# Altium PCB Yukitora.PcbDoc (part 1 of 3) (continued)
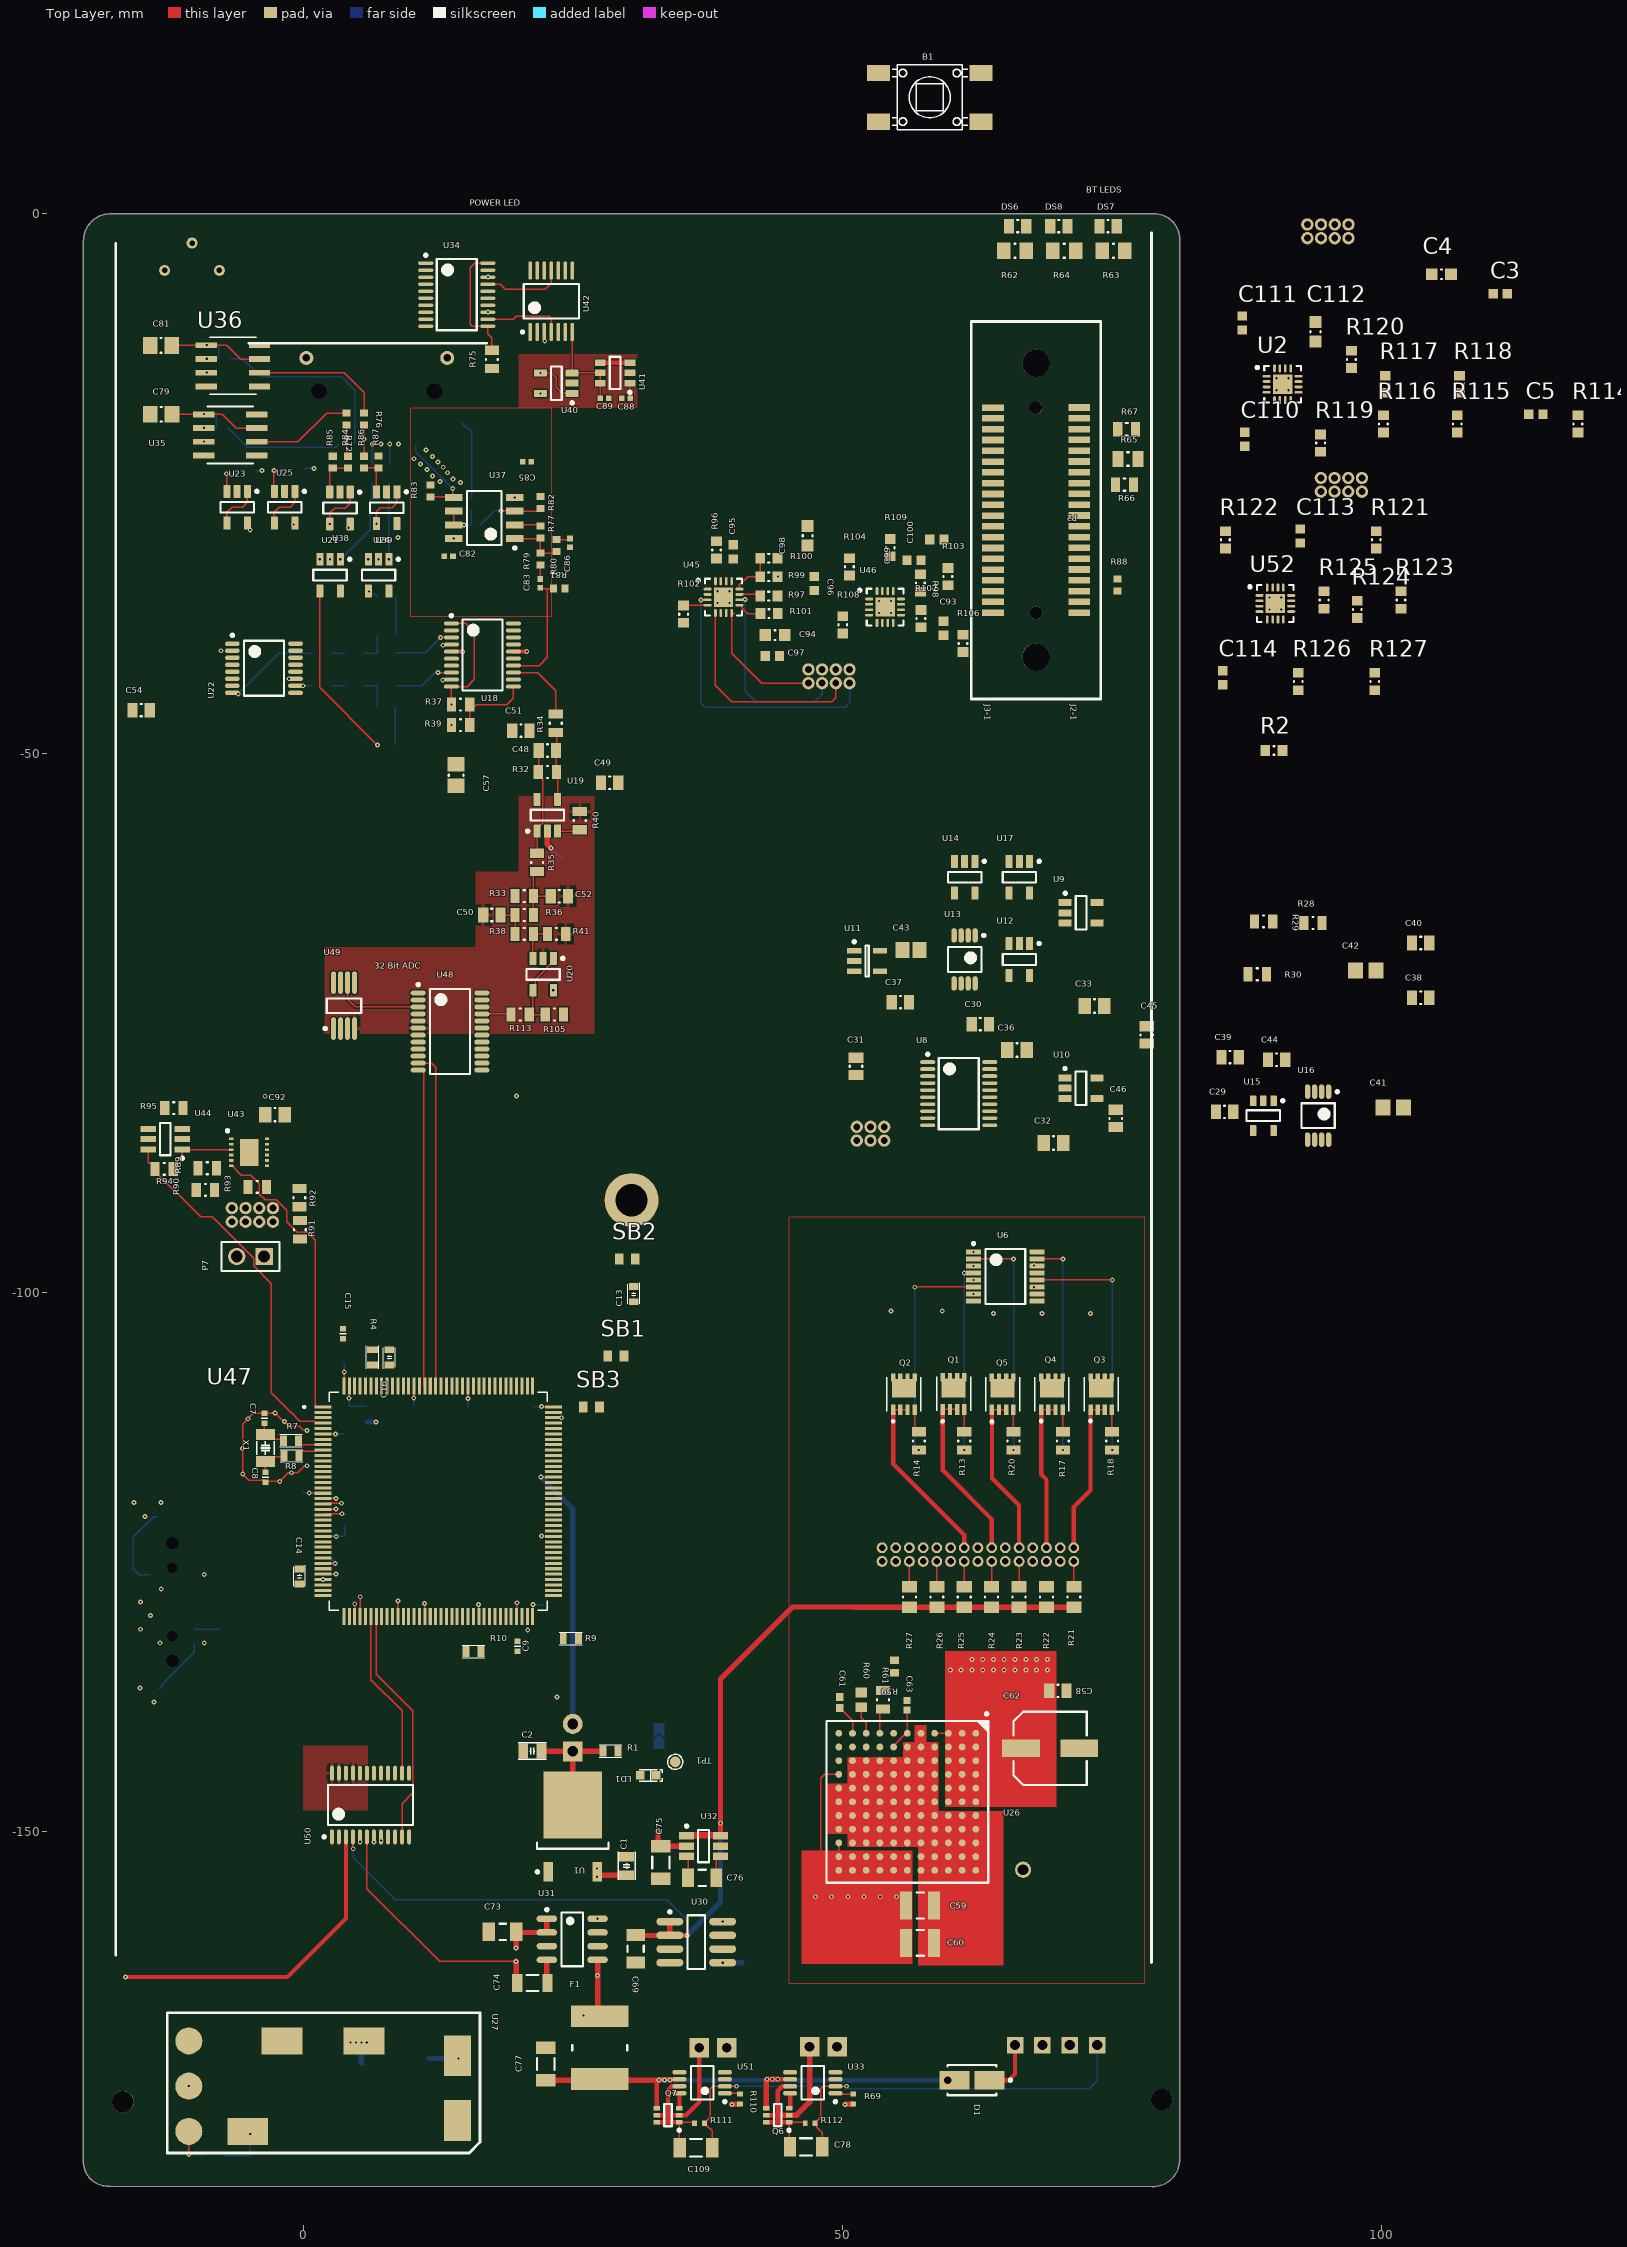
[diagram p0: Top Layer view]
## Classes and differential pairs
component class SYS_PWR_ADC: U50
component class AD717-2: C101 C102 C103 C104 C105 C106 C107 C108 U48 U49
component class ZPZH: C87 C88 C89 C90 C91 R88 U40 U41 U42
component class Conning_Tower: C79 C80 C81 C82 C83 C84 C85 C86 J1 R70 R71 R72 R73 R74 R75 R76 R77 R78 R79 R80 R81 R82 R83 R84 R85 R86 R87 U34 U35 U36 U37 U38 U39
component class Power: C69 C70 C71 C72 C73 C74 C75 C76 U30 U31 U32
component class Power_Input: C77 C78 C109 D1 F1 P4 P5 P10 Q6 Q7 R69 R110 R111 R112 U33 U51
component class Levels: C29 C30 C31 C32 C33 C34 C35 C36 C37 C38 C39 C40 C41 C42 C43 C44 C45 C46 C47 P1 R28 R29 R30 R31 U8 U9 U10 U11 U12 U13 U14 U15 U16 U17
component class Force_Plates_Power_Supply: C64 C65 R68 R128 R129 U27
component class 12V_Supply: C58 C59 C60 C61 C62 C63 R59 R60 R61 TP2 U26
net class PG[0..15]: PG0 PG1 PG2 PG3 PG4 PG5 PG6 PG7 PG8 PG9 PG10 PG11 PG12 PG13 PG14 PG15
net class PF[0..15]: PF0 PF1 PF2 PF3 PF4 PF5 PF6 PF7 PF8 PF9 PF10 PF11 PF12 PF13 PF14 PF15
net class PE[0..15]: PE0 PE1 PE2 PE3 PE4 PE5 PE6 PE7 PE8 PE9 PE10 PE11 PE12 PE13 PE14 PE15
net class PD[0..15]: PD0 PD1 PD2 PD3 PD4 PD5 PD6 PD7 PD10 PD11 PD12 PD13 PD14 PD15
net class PC[0..15]: PC0 PC1 PC2 PC3 PC4 PC5 PC6 PC7 PC8 PC9 PC10 PC11 PC12 PC13
net class PB[0..15]: PB0 PB1 PB2 PB3 PB4 PB5 PB8 PB9 PB10 PB11 PB12 PB13 PB14 PB15
net class PA[0..15]: PA0 PA1 PA2 PA3 PA4 PA5 PA6 PA7 PA8 PA9 PA10 PA11 PA12 PA13 PA14 PA15
component class ST_LINK_V3E: CN1 HW7 HW8 R3 U3 U4
component class Power_Board: C1 C2 HW4 HW12 JP1 LD1 R1 SB5 TP1 U1
component class MCU_144_POWER: C13 C14 C15 C16 C17 C18 C19 C20 C21 C22 C23 C24 C25 C26 C27 C28 HW13 SB1 SB2 SB3 SB10 SB11
component class MCU_144_IOs: B1 C6 C7 C8 C9 C10 HW3 HW9 HW11 R4 R5 R6 R7 R8 R9 R10 U5 U47 X1
component class Heater: DS1 DS2 DS3 DS4 DS5 Q1 Q2 Q3 Q4 Q5 R11 R12 R13 R14 R15 R16 R17 R18 R19 R20 R21 R22 R23 R24 R25 R26 R27 U6 U7
component class SynchDemod: C48 C49 C50 C51 C52 C53 C54 C55 C56 C57 R32 R33 R34 R35 R36 R37 R38 R39 R40 R41 R42 R43 R44 R45 R46 R47 R48 R49 R50 R51 R52 R53 R54 R55 R56 R57 R58 R105 R113 U18 U19 U20 U21 U22 U23 U24 U25
component class Bluetooth: DS6 DS7 DS8 P2 R62 R63 R64 R65 R66 R67
component class Encoder: C92 P6 P7 R89 R90 R91 R92 R93 R94 R95 U43 U44
component class Motors: C3 C4 C5 C93 C94 C95 C96 C97 C98 C99 C100 C110 C111 C112 C113 C114 P3 P8 P11 R2 R96 R97 R98 R99 R100 R101 R102 R103 R104 R106 R107 R108 R109 R114 R115 R116 R117 R118 R119 R120 R121 R122 R123 R124 R125 R126 R127 U2 U45 U46 U52

## Components (designator, comment, footprint, x,y, rotation, side; value= is the part's Value field where it differs from the comment)
B1 "SW-PUSH-CMS" SWI_WEALTHMETAL_TD-0341_4P_BLACK 58.1,10.8 r270 top value=SWITCH
C1 "Capacitor" C0805 30,-153.15 r270 top value=10uF
C2 "Capacitor" C0805 21.25,-142.5 r0 top value=10uF
C3 "0.1uF" CAPC1608X94X35LL15T15 110.975,-7.425 r0 top
C4 "4.7uF" CAPC0603(1608)55_M 105.525,-5.6 r0 top
C5 "0.1uF" CAPC1608X94X35LL15T15 114.275,-18.575 r0 top
C6 "Capacitor" C0603 4.577,-121.573 r180 bottom value=100nF
C7 "Capacitor" C0402 -3.584,-111.65 r90 top value=5.1pF
C8 "Capacitor" C0402 -3.484,-117.125 r270 top value=5.1pF
C9 "Capacitor" C0402 19.9,-132.775 r270 top
C10 "Capacitor" C0402 22.196,-129.45 r90 bottom
C13 "Capacitor" C0603 30.65,-100.15 r90 top value=1uF
C14 "Capacitor" C0603 -0.325,-126.325 r90 top value=1uF
C15 "Capacitor" C0402 3.7,-103.825 r270 top
C16 "Capacitor" C0603 8,-106 r270 top value=1uF
C17 "Capacitor" C0402 17.75,-114.075 r180 bottom
C18 "Capacitor" C0603 10.3,-111.2 r90 bottom value=4.7uF
C19 "Capacitor" C0402 11.278,-130.018 r90 bottom
C20 "Capacitor" C0402 16.291,-130.03 r90 bottom
C21 "Capacitor" C0402 15.3,-111.075 r90 bottom
C22 "Capacitor" C0402 20.95,-110.6 r0 bottom
C23 "Capacitor" C0402 10.5,-124.1 r180 bottom
C24 "Capacitor" C0402 1.861,-124.6 r0 bottom
C25 "Capacitor" C0402 -0.5,-118.575 r0 bottom
C26 "Capacitor" C0402 4.3,-113.075 r180 bottom
C27 "Capacitor" C0402 17.8,-115.8 r180 bottom
C28 "Capacitor" C0402 3.825,-106.1 r270 bottom
C29 "470nF" CAPC0805(2012)75_L 85.418,-83.249 r0 top value=.47uF
C30 ".1uF" CAPC0805(2012)75_L 62.781,-75.113 r0 top
C31 "470nF" CAPC0805(2012)75_L 51.255,-79.02 r270 top value=.47uF
C32 "08053C105JAT2A" CAPC0805(2012)145_N 69.563,-86.135 r0 top value=1uF
C33 "08053C105JAT2A" CAPC0805(2012)145_N 73.373,-73.435 r0 top value=1uF
C34 "2.2uF" CAPC0805(2012)75_L 77.098,-63.399 r270 bottom value=1uF
C35 "08053C105JAT2A" CAPC0805(2012)145_N 76.148,-82.216 r180 bottom value=1uF
C36 "08053C105JAT2A" CAPC0805(2012)145_N 66.176,-77.517 r0 top value=1uF
C37 "470nF" CAPC0805(2012)75_L 55.381,-73.072 r0 top value=.47uF
C38 ".1uF" CAPC0805(2012)75_L 103.599,-72.673 r0 top
C39 "2.2uF" CAPC0805(2012)75_L 85.926,-78.169 r0 top value=1uF
C40 ".22uF" CAPC0805(2012)75_L 103.599,-67.593 r0 top value=1uF
C41 "GRM21BR71A225KA01L" CAPC2013X135X50ML10T20 101.059,-82.833 r0 top
C42 "GRM21BR71A225KA01L" CAPC2013X135X50ML10T20 98.519,-70.133 r0 top
C43 "0805ZC103KAT2A" CAPC2013X140X50NL20T25 56.359,-68.246 r0 top
C44 "2.2uF" CAPC0805(2012)75_L 90.244,-78.423 r0 top value=1uF
C45 "470nF" CAPC0805(2012)75_L 78.203,-76.12 r90 top value=.47uF
C46 "2.2uF" CAPC0805(2012)75_L 75.329,-83.852 r90 top value=1uF
C47 ".22uF" CAPC0805(2012)75_L 94.562,-78.169 r180 bottom value=1uF
C48 "470nF" CAPC0805(2012)75_L 22.65,-49.75 r180 top value=.47uF
C49 ".1uF" CAPC0805(2012)75_L 28.425,-52.75 r0 top
C50 "22uF" CAPC0805(2012)75_L 17.5,-65 r0 top
C51 ".1uF" CAPC0805(2012)75_L 20.2,-47.9 r0 top
C52 "22uF" CAPC0805(2012)75_L 23.75,-63.25 r180 top
C53 "CAP CER 0.1UF 25V X7R 0805" CAPC0805(2012)145_N 24.975,-59.975 r0 bottom
C54 ".1uF" CAPC0805(2012)75_L -15,-46 r180 top
C55 "CAP CER 1UF 25V X7R 0805" CAPC0805(2012)155_L 7.75,-45.75 r180 bottom
C56 "CAP CER 1UF 25V X7R 0805" CAPC0805(2012)155_L 7.75,-39 r180 bottom
C57 ".1uF" CAPC0805(2012)75_M 14.183,-52.037 r90 top
C58 "CAP CER 1UF 25V X7R 0805" CAPC0805(2012)155_L 69.975,-136.925 r180 top
C59 "C1210C475K5RACTU" CAPC3225X280X50LL20T25 57.2,-156.825 r180 top
C60 "C1210C475K5RACTU" CAPC3225X280X50LL20T25 57.2,-160.275 r180 top
C61 "GRM155R71C224KA12D" CAPC0402(1005)60_M 49.75,-138 r270 top value=220nF
C62 "UUD1E680MCL1GS" NIC-CAPA2-6.3X5.8_V 69.25,-142.25 r0 top
C63 "0402YC103KAT2A" CAPC1005X56X25NL10T15 56,-138.25 r270 top
C64 "C1206C472K1RECAUTO" CAPC0805(2012)155_L 11.609,-171.725 r90 bottom
C65 "C1206C472K1RECAUTO" CAPC1210(3225)130_M 5.659,-173.25 r90 bottom
C69 "GRM31CR71C106KA12L" CAPC3216X180X55LL20T25 30.825,-160.825 r90 top
C70 "C1206C105K5RACTU" CAPC3216X110X50LL20T25 27.425,-160.975 r270 bottom
C71 "CAP 10nF 16V 1206(3216)" CAPC1206(3216)110_L 34,-161.075 r90 bottom value=10nF
C72 "C1206C105K5RACTU" CAPC3216X110X50LL20T25 40.75,-160.75 r270 bottom
C73 "GRM31CR71C106KA12L" CAPC3216X180X55LL20T25 18.5,-159.25 r0 top
C74 "CAP 10nF 16V 1206(3216)" CAPC1206(3216)110_L 21.25,-164 r180 top value=10nF
C75 "JMK316BJ106ML-T" CAPC1206(3216)130_N 33.175,-152.825 r90 top
C76 "C1206C105K5RACTU" CAPC3216X110X50LL20T25 37,-154.25 r0 top
C77 "CAP CER 10UF 6.3V X5R 1206" CAPC1206(3216)130_N 22.5,-171.5 r270 top
C78 "CAP CER 10UF 6.3V X5R 1206" CAPC1206(3216)130_N 46.643,-179.187 r180 top
C79 ".1uF" CAPC0805(2012)75_M -13.15,-18.575 r180 top
C80 ".1uF" CAPC0805(2012)75_L 16,-34.2 r270 bottom
C81 ".1uF" CAPC0805(2012)75_M -13.175,-12.2 r0 top
C82 "0.1uF" CAPC0402(1005)60_L 13.5,-31.75 r0 top
C83 "0.1uF" CAPC0402(1005)60_L 22,-34.25 r270 top
C84 "0.1uF" CAPC0402(1005)60_L 16,-28.875 r0 bottom
C85 "0.1uF" CAPC0402(1005)60_L 20.75,-23 r180 top
C86 "1uF" CAPC0402(1005)60_L 24.75,-30.5 r90 top
C87 "0.1uF" CAPC0402(1005)60_L 23.95,-18.325 r0 bottom
C88 "0.1uF" CAPC0402(1005)60_L 29.939,-17.108 r180 top
C89 "0.1uF" CAPC0402(1005)60_L 27.939,-17.108 r180 top
C90 "10uF" CAPC0805(2012)145_N 24.264,-8.108 r180 bottom
C91 "0.1uF" CAPC0402(1005)60_L 24.264,-6.483 r0 bottom
C92 "CAP CER 0.1UF 25V X7R 0805" CAPC0805(2012)145_N -2.6,-83.5 r0 top
C93 "0.1uF" CAPC1608X94X35LL15T15 59.375,-38.425 r90 top
C94 "4.7uF" CAPC0603(1608)55_M 43.75,-39.06 r180 top
C95 "0.1uF" CAPC1608X94X35LL15T15 39.875,-31.335 r270 top
C96 "22nF" CAPC1608X94X35LL15T15 47.375,-34.26 r270 top
C97 "0.1uF" CAPC1608X94X35LL15T15 43.5,-40.985 r0 top
C98 "4.7uF" CAPC0603(1608)55_M 46.775,-29.835 r90 top
C99 "0.1uF" CAPC1608X94X35LL15T15 56.625,-32.125 r180 top
C100 "22nF" CAPC1608X94X35LL15T15 58.75,-30.2 r180 top
C109 "CAP CER 10UF 6.3V X5R 1206" CAPC1206(3216)130_N 36.413,-179.271 r180 top
C110 "22nF" CAPC1608X94X35LL15T15 87.3,-20.906 r90 top
C111 "0.1uF" CAPC1608X94X35LL15T15 87.05,-10.125 r90 top
C112 "4.7uF" CAPC0603(1608)55_M 93.85,-10.925 r90 top
C113 "0.1uF" CAPC1608X94X35LL15T15 92.45,-29.875 r90 top
C114 "22nF" CAPC1608X94X35LL15T15 85.249,-43.006 r90 top
CN1 "Header 7x2" CON_STDC14_Receiver_MEDIUM_WITH_MIPI10_3D -12.115,-128.675 r270 bottom locked value="MIPI10 on STDC14 footprint"
D1 "CDBA540-HF" VISH-DO-214AC-2_M 62,-173 r180 top
DS1 "Visible Name Value Type    False Description Lite-On LTST-S220KRKT Red LED, 631 nm 2012 (0805) Side View, Rectangle Lens SMD package STRING" 0805C_L 54.5,-102.5 r270 bottom
DS2 "Visible Name Value Type    False Description Lite-On LTST-S220KRKT Red LED, 631 nm 2012 (0805) Side View, Rectangle Lens SMD package STRING" 0805C_L 59.25,-102.5 r270 bottom
DS3 "Visible Name Value Type    False Description Lite-On LTST-S220KRKT Red LED, 631 nm 2012 (0805) Side View, Rectangle Lens SMD package STRING" 0805C_L 68.5,-102.75 r270 bottom
DS4 "Visible Name Value Type    False Description Lite-On LTST-S220KRKT Red LED, 631 nm 2012 (0805) Side View, Rectangle Lens SMD package STRING" 0805C_L 73,-102.75 r270 bottom
DS5 "Visible Name Value Type    False Description Lite-On LTST-S220KRKT Red LED, 631 nm 2012 (0805) Side View, Rectangle Lens SMD package STRING" 0805C_L 64,-102.75 r270 bottom
DS6 "Lite-On LTST-S220KGKT Green LED, 571 nm 2012 (0805) Side View, Rectangle Lens SMD package" 0805C_L 66.244,-1.141 r0 top
DS7 "Lite-On LTST-S220KGKT Green LED, 571 nm 2012 (0805) Side View, Rectangle Lens SMD package" 0805C_L 74.626,-1.141 r0 top
DS8 "Lite-On LTST-S220KGKT Green LED, 571 nm 2012 (0805) Side View, Rectangle Lens SMD package" 0805C_L 70.054,-1.141 r0 top
F1 "PCT" CAPC7451X12N 27.5,-170 r90 top
J1 "FCS8-10-01-X-S-A" FCS8-10-01-X-S-A 6.835,-11.633 r0 bottom locked
JP1 "Jumper_Header 2x1 Fitted" CON_SAMTEC_TSW-102-07-G-S 25,-141.25 r90 bottom value="Shunt Fitted"
LD1 "LED_green" LED_0603_OSRAM_LG-Q396-PS-35_GREEN_1A2K_H0P4 32,-144.75 r0 top value=GREEN
P1 "TFM-103-01-L-D-RA" TFM-103-01-L-D-RA 52.6,-81.4 r0 bottom
P2 "FSI-120-03-G-D-E-AB" FSI-120-03-G-D-E-AB 67.95,-27.475 r270 top
P3 "SAMTEC-TFM-104-01-X-D-RAJ" SAMTEC-TFM-104-01-X-D-RA 95,2.25 r0 bottom
P4 "IPL1-104-01-L-S-RA-K" IPL1-104-01-L-S-RA-K 66,-169.75 r0 bottom locked
P5 "IPL1-102-01-F-S-RA-K" IPL1-102-01-F-S-RA-K 48.23,-169.916 r0 bottom locked
P6 "SAMTEC-TFM-104-01-X-D-RAJ" SAMTEC-TFM-104-01-X-D-RA -4.696,-88.929 r0 bottom
P7 "61300211121" 61300211121 -4.875,-96.65 r180 top
P8 "SAMTEC-TFM-104-01-X-D-RAJ" SAMTEC-TFM-104-01-X-D-RA 48.75,-39 r0 bottom
P10 "IPL1-102-01-F-S-RA-K" IPL1-102-01-F-S-RA-K 38,-170 r0 bottom locked
P11 "SAMTEC-TFM-104-01-X-D-RAJ" SAMTEC-TFM-104-01-X-D-RA 96.25,-21.25 r0 bottom
Q1 "SI7611DN-T1-GE3" *VISHAY_SIS468DN-T1-GE3 60.3,-109.4 r90 top
Q2 "SI7611DN-T1-GE3" *VISHAY_SIS468DN-T1-GE3 55.702,-109.429 r90 top
Q3 "SI7611DN-T1-GE3" *VISHAY_SIS468DN-T1-GE3 73.99,-109.429 r90 top
Q4 "SI7611DN-T1-GE3" *VISHAY_SIS468DN-T1-GE3 69.418,-109.429 r90 top
Q5 "SI7611DN-T1-GE3" *VISHAY_SIS468DN-T1-GE3 64.846,-109.429 r90 top
Q6 "MCH6336-TL-E" ONSC-MCPH-6_V 44,-176.25 r180 top
Q7 "MCH6336-TL-E" ONSC-MCPH-6_V 33.825,-176.25 r180 top
R1 "Resistor" R0603 28.5,-142.5 r180 top value=620R
R2 "10k" RESC0603(1608)_N 90,-49.75 r0 top value="1020.00 Ohm"
R3 "Resistor" R0402 -7.3,-131.235 r180 bottom value=100R
R4 "Resistor" R0603 6.45,-106 r90 top value=10K
R5 "Resistor" R0603 5.875,-111.25 r270 bottom value=10K
R6 "Resistor" R0603 4.375,-111.25 r270 bottom value=10K
R7 "Resistor" R0603 -1.109,-113.725 r180 top value=0R
R8 "Resistor" R0603 -1.084,-115.125 r180 top value=0R
R9 "Resistor" R0603 24.816,-132.075 r180 top value=0R
R10 "Resistor" R0603 15.8,-133.275 r180 top value=0R
R11 "=Description" RESC0805(2012)_L 54.5,-105.75 r90 bottom
R12 "=Description" RESC0805(2012)_L 59.25,-105.75 r90 bottom
R13 "=Description" RESC0805(2012)_L 61.29,-113.747 r90 top
R14 "=Description" RESC0805(2012)_L 57.075,-113.75 r90 top
R15 "=Description" RESC0805(2012)_L 68.5,-106 r270 bottom
R16 "=Description" RESC0805(2012)_L 73,-106 r90 bottom
R17 "=Description" RESC0805(2012)_L 70.434,-113.747 r90 top
R18 "=Description" RESC0805(2012)_L 75.006,-113.747 r90 top
R19 "=Description" RESC0805(2012)_L 64,-106 r270 bottom
R20 "=Description" RESC0805(2012)_L 65.862,-113.747 r90 top
R21 "6K98 1% 0805(2012)" RESC0805(2012)_N 71.45,-128.225 r90 top
R22 "6K98 1% 0805(2012)" RESC0805(2012)_N 68.91,-128.225 r270 top
R23 "6K98 1% 0805(2012)" RESC0805(2012)_N 66.37,-128.225 r90 top
R24 "6K98 1% 0805(2012)" RESC0805(2012)_N 63.83,-128.225 r270 top
R25 "6K98 1% 0805(2012)" RESC0805(2012)_N 61.29,-128.225 r90 top
R26 "6K98 1% 0805(2012)" RESC0805(2012)_N 58.75,-128.225 r270 top
R27 "6K98 1% 0805(2012)" RESC0805(2012)_N 56.21,-128.225 r90 top
R28 "100k" RESC0805(2012)_L 93.608,-65.742 r0 top
R29 "100k" RESC0805(2012)_L 89.036,-65.589 r0 top
R30 "100k" RESC0805(2012)_L 88.452,-70.492 r0 top
R31 "100k" RESC0805(2012)_L 102.329,-77.753 r90 bottom
R32 "300K" RESC0805(2012)_L 22.65,-51.75 r0 top value=300k
R33 "100k" RESC0805(2012)_L 20.5,-63.25 r180 top
R34 "18.2K" RESC0805(2012)_L 23.425,-47.225 r90 top value=18.2k
R35 "511k" RESC0805(2012)_L 21.7,-60.125 r90 top
R36 "100k" RESC0805(2012)_L 20.5,-65 r0 top
R37 "0" RESC0805(2012)_L 14.6,-45.5 r0 top
R38 "100k" RESC0805(2012)_L 20.5,-66.75 r180 top
R39 "DNP" RESC0805(2012)_L 14.6,-47.4 r0 top value=0
R40 "33k" RESC0805(2012)_L 25.65,-56.25 r270 top
R41 "100k" RESC0805(2012)_L 23.5,-66.75 r180 top
R42 "3.9k" RESC0805(2012)_L 7.75,-43.75 r0 bottom
R43 "100" RESC0805(2012)_L 6.435,-24.1 r270 bottom value=0
R44 "7.5k" RESC0805(2012)_L 4.75,-43.75 r0 bottom
R45 "100k" RESC0805(2012)_L -5.3,-24 r0 bottom
R46 "0" RESC0805(2012)_L 7.75,-49.25 r0 bottom
R47 "DNP" RESC0805(2012)_L 1.75,-43.75 r180 bottom value=0
R48 "TRIMMER 5K OHM 0.25W PC PIN" "Trimmer 2.54" -7.75,-5.25 r180 bottom
R49 "1M" RESC0805(2012)_L 7.75,-47.5 r0 bottom
R50 "100k" RESC0805(2012)_L -6.1,-28.3 r180 bottom
R51 "DNP" RESC0805(2012)_L 1.75,-40.75 r180 bottom value=0
R52 "7.5k" RESC0805(2012)_L 4.75,-40.75 r180 bottom
R53 "3.9k" RESC0805(2012)_L 7.75,-40.75 r180 bottom
R54 "100" RESC0805(2012)_L 8.035,-24.1 r270 bottom value=0
R55 "0" RESC0805(2012)_L 7.75,-35.5 r0 bottom
R56 "100k" RESC0805(2012)_L -0.7,-23.7 r0 bottom
R57 "1M" RESC0805(2012)_L 7.75,-37.25 r0 bottom
R58 "100k" RESC0805(2012)_L -0.6,-25.4 r180 bottom
R59 "CRCW0603100KFKEA" RESC1609X50X30LL10T20 54.825,-134.65 r270 top
R60 "CRCW060311K0FKEA" RESC1609X50X30ML10T20 51.75,-137.75 r270 top
R61 "CRCW080536K5FKEA" RESC0805(2012)_L 53.75,-137.75 r270 top value="36500.00 Ohm"
R62 "CRCW08053K90FKEA" RESC0805(2012)_M 65.99,-3.427 r180 top value="3900.00 Ohm"
R63 "CRCW08053K90FKEA" RESC0805(2012)_M 75.134,-3.427 r180 top value="3900.00 Ohm"
R64 "CRCW08053K90FKEA" RESC0805(2012)_M 70.562,-3.427 r180 top value="3900.00 Ohm"
R65 "CRCW080510K0FKEA" RESC2013X50X30NL20T20 76.475,-22.725 r0 top
R66 "CRCW0805100RFKEA" RESC2013X50X30LL20T20 76.15,-25.1 r0 top
R67 "CRCW0805100RFKEA" RESC2013X50X30LL20T20 76.35,-19.975 r0 top
R68 "6.9k" RESC0805(2012)_L -8.091,-180 r0 bottom
R69 "560k" RESC0402(1005)_L 51,-174.75 r270 top
R70 "10k 1% 0402(1005)" RESC0402(1005)_M -7.475,-18.4 r180 bottom value=10k
R71 "100k 1% 0402(1005)" RESC0402(1005)_M -7.475,-19.865 r0 bottom value=100k
R72 "100 1% 0402(1005)" RESC0402(1005)_M 4.04,-19.025 r270 top value=100
R73 "10k 1% 0402(1005)" RESC0402(1005)_M -7.25,-12.05 r180 bottom value=10k
R74 "100k 1% 0402(1005)" RESC0402(1005)_M -7.25,-13.45 r0 bottom value=100k
R75 "4.75K" RESC0805(2012)_L 17.5,-13.5 r270 top value=47k
R76 "100 1% 0402(1005)" RESC0402(1005)_M 5.65,-19.025 r270 top value=100
R77 "" RESC0402(1005)_M 22,-29.5 r90 top
R78 "100" RESC0402(1005)_M 15.65,-26.95 r90 bottom
R79 "" RESC0402(1005)_M 22,-32 r90 top
R80 "" RESC0402(1005)_M 23.5,-30.75 r90 top
R81 "" RESC0402(1005)_M 23.75,-34.75 r0 top
R82 "" RESC0402(1005)_M 22,-26.75 r90 top
R83 "" RESC0402(1005)_M 11.8,-25.7 r270 top
R84 "100k 1% 0402(1005)" RESC0402(1005)_M 4.15,-23.025 r90 top value=100k
R85 "100k 1% 0402(1005)" RESC0402(1005)_M 2.75,-23.025 r270 top value=100k
R86 "100k 1% 0402(1005)" RESC0402(1005)_M 5.65,-23.025 r90 top value=100k
R87 "100k 1% 0402(1005)" RESC0402(1005)_M 7,-23 r270 top value=100k
R88 "10k" RESC0402(1005)_M 75.5,-34.4 r90 top
R89 "10K" RESC0805(2012)_L -8.875,-88.475 r180 top
R90 "10K" RESC0805(2012)_L -9.05,-90.475 r180 top
R91 "DNP" RESC0805(2012)_L -0.3,-94.175 r90 top
R92 "DNP" RESC0805(2012)_L -0.35,-91.2 r270 top
R93 "10K" RESC0805(2012)_L -4.25,-90.2 r180 top
R94 "DNP" RESC0805(2012)_L -12.875,-88.525 r180 top
R95 "43.2K" RESC0805(2012)_L -11.975,-82.9 r180 top
R96 "0.1" RESC0603(1608)_N 38.325,-31.16 r90 top value="1020.00 Ohm"
R97 "0.1" RESC0603(1608)_N 43.175,-35.435 r0 top value="1020.00 Ohm"
R98 "10k" RESC0603(1608)_N 57.225,-34.225 r270 top value="1020.00 Ohm"
R99 "1k" RESC0603(1608)_N 43.175,-33.635 r180 top value="1020.00 Ohm"
R100 "10k" RESC0603(1608)_N 43.175,-31.935 r180 top value="1020.00 Ohm"
R101 ".2" RESC0603(1608)_N 43.2,-37.06 r180 top value="1020.00 Ohm"
R102 ".2" RESC0603(1608)_N 35.275,-37.11 r90 top value="1020.00 Ohm"
R103 "0.1" RESC0603(1608)_N 59.775,-33.625 r90 top value="1020.00 Ohm"
R104 "0.1" RESC0603(1608)_N 50.65,-32.725 r90 top value="1020.00 Ohm"
R105 "0" RESC0805(2012)_L 23.3,-74.225 r180 top
R106 "1k" RESC0603(1608)_N 61.175,-39.825 r90 top value="1020.00 Ohm"
R107 "10k" RESC0603(1608)_N 57.275,-37.525 r90 top value="1020.00 Ohm"
R108 ".2" RESC0603(1608)_N 50.025,-38.1 r90 top value="1020.00 Ohm"
R109 ".2" RESC0603(1608)_N 54.425,-30.95 r90 top value="1020.00 Ohm"
R110 "560k" RESC0402(1005)_L 40.5,-174.75 r270 top
R111 "560k" RESC0402(1005)_L 36.75,-177 r180 top
R112 "560k" RESC0402(1005)_L 47,-177 r180 top
R113 "DNP" RESC0805(2012)_L 20.125,-74.225 r0 top value=0
R114 "0.1" RESC0603(1608)_N 118.175,-19.475 r90 top value="1020.00 Ohm"
R115 "0.1" RESC0603(1608)_N 106.999,-19.475 r90 top value="1020.00 Ohm"
R116 "10k" RESC0603(1608)_N 100.149,-19.475 r90 top value="1020.00 Ohm"
R117 "1k" RESC0603(1608)_N 100.325,-15.8 r90 top value="1020.00 Ohm"
R118 "10k" RESC0603(1608)_N 107.2,-15.8 r90 top value="1020.00 Ohm"
R119 ".2" RESC0603(1608)_N 94.325,-21.256 r90 top value="1020.00 Ohm"
R120 ".2" RESC0603(1608)_N 97.175,-13.5 r90 top value="1020.00 Ohm"
R121 "0.1" RESC0603(1608)_N 99.475,-30.225 r90 top value="1020.00 Ohm"
R122 "0.1" RESC0603(1608)_N 85.499,-30.225 r90 top value="1020.00 Ohm"
R123 "10k" RESC0603(1608)_N 101.775,-35.8 r90 top value="1020.00 Ohm"
R124 "1k" RESC0603(1608)_N 97.725,-36.675 r90 top value="1020.00 Ohm"
R125 "10k" RESC0603(1608)_N 94.65,-35.8 r90 top value="1020.00 Ohm"
R126 ".2" RESC0603(1608)_N 92.249,-43.356 r90 top value="1020.00 Ohm"
R127 ".2" RESC0603(1608)_N 99.349,-43.356 r90 top value="1020.00 Ohm"
R128 "Do Not Place" RESC0805(2012)_L -4.091,-180 r0 bottom
R129 "Do Not Place" RESC0805(2012)_L -10.625,-171.425 r90 bottom
SB1 "Jumper 0 Ohm" RESC1608X55X25ML10T15 29,-105.875 r0 top
SB2 "Jumper 0 Ohm" RESC1608X55X25ML10T15 30.05,-96.875 r0 top
SB3 "Jumper 0 Ohm" RESC1608X55X25ML10T15 26.725,-110.6 r0 top
SB5 "SB_ON" SOLDER-BRIDGE_R0603-0R 33,-141.1 r90 bottom
SB10 "Jumper 0 Ohm" RESC1608X55X25ML10T15 24.225,-122.575 r180 bottom
SB11 "0" RESC1608X55X25ML10T15 21.175,-103.6 r270 bottom
TP1 "Test Point" TP_SMD_1MM 34.5,-143.5 r90 top
TP2 "5003" KSTN-5003 66.75,-153.5 r90 bottom
U1 "LD1086DT33TR" TO-252_L 25,-149.5 r90 top
U2 "STSPIN220" STSPIN220-QFN127P600-8N 90.8,-15.8 r0 top
U3 "ESDALC6V1W5" ESD_SOT323-5L -14.3,-120.11 r90 bottom locked
U4 "ESDALC6V1W5" ESD_SOT323-5L -14.25,-137.31 r270 bottom
U5 "ESD-TRANSIL" ESD_ST0201 4.2,-122.625 r0 bottom value=ESDALC6V1-1U2
U6 "CD74HC4050PWR" PW0016A_N 65.1,-98.507 r0 top
U7 "TFM-115-01-L-D-RE2-WT" TFM-115-01-L-D-RE2-WT 71.45,-123.653 r180 bottom
U8 "MAX333CWP+" TSOP65P640X90-20N 60.78,-81.56 r0 top
U9 "OPA188AIDBVR" DBV0005A_M 72.125,-64.799 r0 top
U10 "OPA188AIDBVR" DBV0005A_M 72.103,-81.055 r0 top
U11 "LT6650CS5#TRMPBF" LT-S5-5-TSOT-23_N 52.295,-69.262 r0 top
U12 "LP3985IM5-2.5/NOPB" DBV0005A_M 66.405,-69.12 r270 top
U13 "LTC1967" LTC1967 61.325,-69.12 r270 top
U14 "OPA188AIDBVR" DBV0005A_M 61.325,-61.5 r270 top
U15 "TPS72325DBVR" DBV0005A_N 89.011,-83.598 r270 top
U16 "LTC1967" LTC1967 94.091,-83.598 r270 top
U17 "OPA188AIDBVR" DBV0005A_M 66.405,-61.5 r270 top
U18 "MAX333CWP+" TSOP65P640X90-20N 16.625,-40.9 r0 top
U19 "OPA188AIDBVR" DBV0005A_M 22.65,-55.75 r90 top
U20 "OPA188AIDBVR" DBV0005A_M 22.25,-70.5 r270 top
U21 "OPA188AIDBVR" DBV0005A_M 2.5,-33.5 r270 top
U22 "AD5231BRUZ10" AD5231BRUZ10 -3.625,-42.125 r0 top
U23 "OPA188AIDBVR" DBV0005A_M -6.1,-27.2 r270 top
U24 "OPA188AIDBVR" DBV0005A_M 7,-33.5 r270 top
U25 "OPA188AIDBVR" DBV0005A_M -1.7,-27.2 r270 top
U26 "LTM8055IY#PBF" LT-BGA-121-15000X15000X4920 56.013,-147.202 r270 top
U27 "IND065BHV" IND065BHV -10.591,-177.75 r0 top
U30 "LT1763CS8-5#PBF" LT-S8-8_M 36.45,-160.215 r0 top
U31 "LT1763CS8-3" LT-S8-8_L 24.951,-159.949 r0 top
U32 "LTC1983ES6-5#TRMPBF" SOT95P323X100-6N 37.125,-151.305 r0 top
U33 "LTC4414EMS8#TRPBF" LT-MS8-8_L 47.25,-173.25 r180 top locked
U34 "MAX333CWP+" TSOP65P640X90-20N 14.25,-7.5 r0 top
U35 "LTC2057HVIS8PBF" *SO-8_S -6.75,-20.5 r0 top
U36 "LTC2057HVIS8PBF" *SO-8_S -6.5,-14.1 r0 top
U37 "LMC662CM" D0008A_M 16.8,-28.2 r180 top
U38 "OPA188AIDBVR" DBV0005A_M 3.425,-27.275 r270 top
U39 "OPA188AIDBVR" DBV0005A_M 7.75,-27.25 r270 top
U40 "OPA188AIDBVR" DBV0005A_M 23.475,-15.7 r180 top
U41 "MAX6070AAUT41+T" SOT95P280X445-6N 28.925,-14.75 r180 top
U42 "AD5666BRUZ-2" RU-14_N 23.014,-8.108 r90 top
U43 "MAX22502EATC+T" MAX22502EATC+T -5,-87 r0 top
U44 "LTC6994MPS6-2#TRMPBF" LTC6994MPS6-2#TRMPBF -12.775,-85.775 r180 top
U45 "STSPIN220" STSPIN220-QFN127P600-8N 38.975,-35.535 r0 top
U46 "STSPIN220" STSPIN220-QFN127P600-8N 53.951,-36.452 r0 top
U47 "STM32H743ZIT6" *QFP50P2200X2200X160-144N 12.541,-119.35 r0 top locked
U48 "AD7177-2" AD7177-2BRUZ 13.625,-75.8 r0 top
U49 "ADR445ARMZ" ADI-RM-8_M 3.8,-73.4 r90 top
U50 "MAX1300" MAX1300 6.25,-147.5 r90 top
U51 "LTC4414EMS8#TRPBF" LT-MS8-8_L 37,-173.25 r180 top locked
U52 "STSPIN220" STSPIN220-QFN127P600-8N 90.125,-36.125 r0 top
X1 "XTAL_2_PINS" CRY_NX3215SA_2P -3.484,-114.4 r90 top value="NX3215SA 32.768KHz"

## Footprints (in the part's own frame and the unit in brackets; to place one, negate y for a bottom-side part, rotate by r counter-clockwise, add the part's x,y. Pads: shape width x height; smd on the part's side, far side on the other; paste and mask are expansions set on the pad)
0805C_L [mm]
  rect 0.95x1.35 smd: 1(-0.8,0) 2(0.8,0)
  silkscreen extent -0.05,-0.58 0.05,0.58, body extent -1.1,-0.72 1.1,0.72, height 0.75
61300211121 [mm] "Pin Header, pitch 2.54 mm, THT, Vertical, single row, 2p"
  rect 1.6x1.6 hole 1.1: 1(-1.27,0)
  round 1.6 hole 1.1: 2(1.27,0)
  silkscreen extent -2.69,-1.35 2.69,1.35, body extent -2.54,-1.27 2.54,1.27, height 8.57
*QFP50P2200X2200X160-144N [mm]
  rect 1.56x0.28 smd: 1(-10.68,8.75) 2(-10.68,8.25) 3(-10.68,7.75) 4(-10.68,7.25) 5(-10.68,6.75) 6(-10.68,6.25) 7(-10.68,5.75) 8(-10.68,5.25) 9(-10.68,4.75) 10(-10.68,4.25) 11(-10.68,3.75) 12(-10.68,3.25) 13(-10.68,2.75) 14(-10.68,2.25) 15(-10.68,1.75) 16(-10.68,1.25) 17(-10.68,0.75) 18(-10.68,0.25) 19(-10.68,-0.25) 20(-10.68,-0.75) 21(-10.68,-1.25) 22(-10.68,-1.75) 23(-10.68,-2.25) 24(-10.68,-2.75) 25(-10.68,-3.25) 26(-10.68,-3.75) 27(-10.68,-4.25) 28(-10.68,-4.75) 29(-10.68,-5.25) 30(-10.68,-5.75) 31(-10.68,-6.25) 32(-10.68,-6.75) 33(-10.68,-7.25) 34(-10.68,-7.75) 35(-10.68,-8.25) 36(-10.68,-8.75) 73(10.68,-8.75) 74(10.68,-8.25) 75(10.68,-7.75) 76(10.68,-7.25) 77(10.68,-6.75) 78(10.68,-6.25) 79(10.68,-5.75) 80(10.68,-5.25) 81(10.68,-4.75) 82(10.68,-4.25) 83(10.68,-3.75) 84(10.68,-3.25) 85(10.68,-2.75) 86(10.68,-2.25) 87(10.68,-1.75) 88(10.68,-1.25) 89(10.68,-0.75) 90(10.68,-0.25) 91(10.68,0.25) 92(10.68,0.75) 93(10.68,1.25) 94(10.68,1.75) 95(10.68,2.25) 96(10.68,2.75) 97(10.68,3.25) 98(10.68,3.75) 99(10.68,4.25) 100(10.68,4.75) 101(10.68,5.25) 102(10.68,5.75) 103(10.68,6.25) 104(10.68,6.75) 105(10.68,7.25) 106(10.68,7.75) 107(10.68,8.25) 108(10.68,8.75)
  rect 0.28x1.56 smd: 37(-8.75,-10.68) 38(-8.25,-10.68) 39(-7.75,-10.68) 40(-7.25,-10.68) 41(-6.75,-10.68) 42(-6.25,-10.68) 43(-5.75,-10.68) 44(-5.25,-10.68) 45(-4.75,-10.68) 46(-4.25,-10.68) 47(-3.75,-10.68) 48(-3.25,-10.68) 49(-2.75,-10.68) 50(-2.25,-10.68) 51(-1.75,-10.68) 52(-1.25,-10.68) 53(-0.75,-10.68) 54(-0.25,-10.68) 55(0.25,-10.68) 56(0.75,-10.68) 57(1.25,-10.68) 58(1.75,-10.68) 59(2.25,-10.68) 60(2.75,-10.68) 61(3.25,-10.68) 62(3.75,-10.68) 63(4.25,-10.68) 64(4.75,-10.68) 65(5.25,-10.68) 66(5.75,-10.68) 67(6.25,-10.68) 68(6.75,-10.68) 69(7.25,-10.68) 70(7.75,-10.68) 71(8.25,-10.68) 72(8.75,-10.68) 109(8.75,10.68) 110(8.25,10.68) 111(7.75,10.68) 112(7.25,10.68) 113(6.75,10.68) 114(6.25,10.68) 115(5.75,10.68) 116(5.25,10.68) 117(4.75,10.68) 118(4.25,10.68) 119(3.75,10.68) 120(3.25,10.68) 121(2.75,10.68) 122(2.25,10.68) 123(1.75,10.68) 124(1.25,10.68) 125(0.75,10.68) 126(0.25,10.68) 127(-0.25,10.68) 128(-0.75,10.68) 129(-1.25,10.68) 130(-1.75,10.68) 131(-2.25,10.68) 132(-2.75,10.68) 133(-3.25,10.68) 134(-3.75,10.68) 135(-4.25,10.68) 136(-4.75,10.68) 137(-5.25,10.68) 138(-5.75,10.68) 139(-6.25,10.68) 140(-6.75,10.68) 141(-7.25,10.68) 142(-7.75,10.68) 143(-8.25,10.68) 144(-8.75,10.68)
  silkscreen extent -12.54,-10.1 10.1,10.1
*SO-8_S [mil]
  rect 78x21 smd: 1(-97,75) 2(-97,25) 3(-97,-25) 4(-97,-75) 5(97,-75) 6(97,-25) 7(97,25) 8(97,75)
  silkscreen extent -84,-104 84,104
*VISHAY_SIS468DN-T1-GE3 [mm]
  rect 0.99x0.405 smd: 1(-1.435,0.99) 2(-1.435,0.33) 3(-1.435,-0.33) 4(-1.435,-0.99)
  rect 0.76x0.405 smd: 5(1.55,-0.99) 6(1.55,-0.33) 7(1.55,0.33) 8(1.55,0.99)
  rect 1.725x2.235 smd: 9(0.557,0)
  silkscreen extent -2.6,-1.58 1.58,1.58
AD5231BRUZ10 [mm]
  oval 1.35x0.45 smd: 1(-2.925,2.275) 2(-2.925,1.625) 3(-2.925,0.975) 4(-2.925,0.325) 5(-2.925,-0.325) 6(-2.925,-0.975) 7(-2.925,-1.625) 8(-2.925,-2.275) 9(2.925,-2.275) 10(2.925,-1.625) 11(2.925,-0.975) 12(2.925,-0.325) 13(2.925,0.325) 14(2.925,0.975) 15(2.925,1.625) 16(2.925,2.275)
  silkscreen extent -3.05,-2.55 1.85,3.17, body extent -3.15,-2.55 3.15,2.55, height 1.2
AD7177-2BRUZ [mm]
  oval 1.4x0.45 smd: 1(-2.95,3.575) 2(-2.95,2.925) 3(-2.95,2.275) 4(-2.95,1.625) 5(-2.95,0.975) 6(-2.95,0.325) 7(-2.95,-0.325) 8(-2.95,-0.975) 9(-2.95,-1.625) 10(-2.95,-2.275) 11(-2.95,-2.925) 12(-2.95,-3.575) 13(2.95,-3.575) 14(2.95,-2.925) 15(2.95,-2.275) 16(2.95,-1.625) 17(2.95,-0.975) 18(2.95,-0.325) 19(2.95,0.325) 20(2.95,0.975) 21(2.95,1.625) 22(2.95,2.275) 23(2.95,2.925) 24(2.95,3.575)
  silkscreen extent -3.07,-3.95 1.85,4.47, body extent -3.2,-3.95 3.2,3.95, height 1.2
ADI-RM-8_M [mm] "SOP, 8-Leads, Body 3x3mm, Pitch 0.65mm, IPC Low Density"
  oval 2.1x0.45 smd: 1(-2.125,0.975) 2(-2.125,0.325) 3(-2.125,-0.325) 4(-2.125,-0.975) 5(2.125,-0.975) 6(2.125,-0.325) 7(2.125,0.325) 8(2.125,0.975)
  silkscreen extent -2.25,-1.6 0.67,1.87, body extent -1.6,-1.6 1.6,1.6, height 1.1
C0402 [mm]
  rect 0.51x0.56 smd mask+0.05: 1(-0.45,0) 2(0.45,0)
  silkscreen extent 0,-0.3 0,0.3, body extent -0.5,-0.3 0.5,0.3, height 0.4
C0603 [mm]
  rect 0.64x0.89 smd mask+0.05: 1(-0.7,0) 2(0.7,0)
  silkscreen extent -0.9,-0.55 1.05,0.55, body extent -0.9,-0.5 0.9,0.5, height 1.4
C0805 [mm]
  rect 0.9x1.4 smd mask+0.05: 1(-0.85,0) 2(0.85,0)
  silkscreen extent -1.3,-0.77 1.3,0.77, body extent -1.1,-0.7 1.1,0.7, height 1.35
CAPC0402(1005)60_L [mm] "Chip Capacitor, Body 1.0x0.5mm, Height 0.6mm, IPC High Density"
  rect 0.52x0.52 smd: 1(-0.4,0) 2(0.4,0)
  body extent -0.55,-0.3 0.55,0.3, height 0.6
CAPC0402(1005)60_M [mm] "Chip Capacitor, Body 1.0x0.5mm, Height 0.6mm, IPC Low Density"
  rect 0.72x0.72 smd: 1(-0.5,0) 2(0.5,0)
  body extent -0.55,-0.3 0.55,0.3, height 0.6
CAPC0603(1608)55_M [mm] "Chip Capacitor, Body 1.6x0.8mm, Height 0.55mm, IPC Low Density"
  rect 1.1x1.1 smd: 1(-0.9,0) 2(0.9,0)
  silkscreen extent -0.05,-0.45 0.05,0.45, body extent -0.87,-0.47 0.88,0.48, height 0.55
CAPC0805(2012)75_L [mm] "Chip Capacitor, Body 2.0x1.2mm, Height 0.75mm, IPC High Density"
  rect 0.95x1.35 smd: 1(-0.8,0) 2(0.8,0)
  silkscreen extent -0.05,-0.58 0.05,0.58, body extent -1.1,-0.72 1.1,0.72, height 0.75
CAPC0805(2012)75_M [mm] "Chip Capacitor, Body 2.0x1.2mm, Height 0.75mm, IPC Low Density"
  rect 1.35x1.55 smd: 1(-1,0) 2(1,0)
  silkscreen extent -0.05,-0.67 0.05,0.67, body extent -1.1,-0.72 1.1,0.72, height 0.75
CAPC0805(2012)145_N [mm] "Chip Capacitor, Body 2.0x1.2mm, Height 1.45mm, IPC Medium Density"
  rect 1.15x1.45 smd: 1(-0.9,0) 2(0.9,0)
  silkscreen extent -0.05,-0.62 0.05,0.63, body extent -1.1,-0.72 1.1,0.73, height 1.45
CAPC0805(2012)155_L [mm] "Chip Capacitor, Body 2.0x1.2mm, Height 1.55mm, IPC High Density"
  rect 0.95x1.35 smd: 1(-0.8,0) 2(0.8,0)
  silkscreen extent -0.05,-0.58 0.05,0.58, body extent -1.1,-0.72 1.1,0.72, height 1.55
CAPC1005X56X25NL10T15 [mm] "Chip Capacitor, 2-Leads, Body 1.00x0.50mm, IPC Medium Density"
  rect 0.68x0.64 smd: 1(-0.44,0) 2(0.44,0)
  body extent -0.55,-0.3 0.55,0.3, height 0.56
CAPC1206(3216)110_L [mm] "Chip Capacitor, Body 3.2x1.6mm, Height 1.1mm, IPC High Density"
  rect 0.95x1.7 smd: 1(-1.4,0) 2(1.4,0)
  silkscreen extent -0.55,-0.75 0.55,0.75, body extent -1.7,-0.9 1.7,0.9, height 1.1
CAPC1206(3216)130_N [mm] "Chip Capacitor, Body 3.2x1.6mm, Height 1.3mm, IPC Medium Density"
  rect 1.15x1.8 smd: 1(-1.5,0) 2(1.5,0)
  silkscreen extent -0.55,-0.8 0.55,0.8, body extent -1.7,-0.9 1.7,0.9, height 1.3
CAPC1210(3225)130_M [mm] "Chip Capacitor, Body 3.2x2.5mm, Height 1.3mm, IPC Low Density"
  rect 1.35x2.8 smd: 1(-1.6,0) 2(1.6,0)
  silkscreen extent -0.55,-1.3 0.55,1.3, body extent -1.7,-1.35 1.7,1.35, height 1.3
CAPC1608X94X35LL15T15 [mm]
  rect 0.85x0.9 smd: 1(-0.65,0) 2(0.65,0)
  body extent -0.88,-0.48 0.87,0.48, height 0.94
CAPC2013X135X50ML10T20 [mm] "Chip Capacitor, 2-Leads, Body 2.00x1.25mm, IPC Low Density"
  rect 1.4x1.5 smd: 1(-0.95,0) 2(0.95,0)
  body extent -1.05,-0.67 1.05,0.67, height 1.35
CAPC2013X140X50NL20T25 [mm] "Chip Capacitor, 2-Leads, Body 2.00x1.25mm, IPC Medium Density"
  rect 1.3x1.45 smd: 1(-0.8,0) 2(0.8,0)
  body extent -1.1,-0.72 1.1,0.72, height 1.4
CAPC3216X110X50LL20T25 [mm] "Chip Capacitor, 2-Leads, Body 3.20x1.60mm, IPC High Density"
  rect 1.1x1.7 smd: 1(-1.3,0) 2(1.3,0)
  silkscreen extent -0.35,-0.75 0.35,0.75, body extent -1.7,-0.9 1.7,0.9, height 1.1
CAPC3216X180X55LL20T25 [mm] "Chip Capacitor, 2-Leads, Body 3.4x1.8mm, IPC High Density"
  rect 1.15x1.7 smd: 1(-1.275,0) 2(1.275,0)
  silkscreen extent -0.3,-0.75 0.3,0.75, body extent -1.7,-0.9 1.7,0.9, height 1.8
CAPC3225X280X50LL20T25 [mm] "Chip Capacitor, 2-Leads, Body 3.40x2.70mm, IPC High Density"
  rect 1.1x2.6 smd: 1(-1.3,0) 2(1.3,0)
  silkscreen extent -0.35,-1.2 0.35,1.2, body extent -1.7,-1.35 1.7,1.35, height 2.8
CAPC7451X12N [mm] "Chip Capacitor, 2-Leads, Body 7.36x5.12mm, IPC Medium Density"
  rect 2x5.3 smd: 1(-2.9,0) 2(2.9,0)
  silkscreen extent -0.25,-2.55 0.25,2.55, body extent -3.99,-2.72 3.99,2.72, height 1.25
CON_SAMTEC_TSW-102-07-G-S [mm]
  rect 1.85x1.85 / inner round 1.85 / far side rect 1.85x1.85 hole 1 mask+0.05: 1(-1.27,0)
  round 1.85 hole 1 mask+0.05: 2(1.27,0)
  silkscreen extent -2.58,-1.3 2.58,1.3, body extent -2.67,-1.3 2.58,1.3, height 8.38
CON_STDC14_Receiver_MEDIUM_WITH_MIPI10_3D [mm] "compatible with FTSH-105-01-L-DV,-K and FTSH-107-01-L-DV,-K,-A,-P,-ES"
  round 0 hole 1.19 unplated mask+0.05: 0(-5.445,0) 0(5.445,0)
  round 0 hole 0.97 unplated mask+0.05: 0(-3.175,0) 0(3.175,0)
  rect 0.74x2.79 smd mask+0.05: 1(-3.81,-2.032) 2(-3.81,2.032) 3(-2.54,-2.032) 4(-2.54,2.032) 5(-1.27,-2.032) 6(-1.27,2.032) 7(0,-2.032) 8(0,2.032) 9(1.27,-2.032) 10(1.27,2.032) 11(2.54,-2.032) 12(2.54,2.032) 13(3.81,-2.032) 14(3.81,2.032)
  silkscreen extent -6.3,-4.38 6.3,3.6, body extent -6.3,-2.92 6.3,2.92, height 6.6
CRY_NX3215SA_2P [mm]
  rect 1x1.8 smd mask+0.05: 1(-1.25,0) 2(1.25,0)
  silkscreen extent -0.63,-0.8 0.63,0.8, body extent -1.65,-0.8 1.65,0.8, height 0.9
D0008A_M [mm] "SOIC, 8-Leads, Body 5x4mm, Pitch 1.27mm, IPC Low Density"
  rrect15% 1.65x0.65 smd: 1(-2.825,1.905) 2(-2.825,0.635) 3(-2.825,-0.635) 4(-2.825,-1.905) 5(2.825,-1.905) 6(2.825,-0.635) 7(2.825,0.635) 8(2.825,1.905)
  silkscreen extent -2.95,-2.5 1.6,2.9, body extent -3,-2.45 3,2.45, height 1.63
DBV0005A_M [mm] "SOT23, 5-Leads, Body 3.05x1.75mm, Pitch 0.95mm, IPC Low Density"
  rrect15% 1.2x0.65 smd: 1(-1.475,0.95) 2(-1.475,0) 3(-1.475,-0.95) 4(1.475,-0.95) 5(1.475,0.95)
  silkscreen extent -1.6,-1.55 0.5,1.95, body extent -1.42,-1.46 1.42,1.46, height 1.08